# Altium PCB CENTRIFUSION - FABRICATION.PcbDoc
Units mm, origin at the board's own origin, x right, y up, seen from the top; angles counter-clockwise.
Board outline 128.91 x 72.01 mm, 2 copper layers (Top Layer, Bottom Layer); 86 components, 51 nets, 264 pads, 194 vias.
Unrouted connection lines stored in the file: 10.
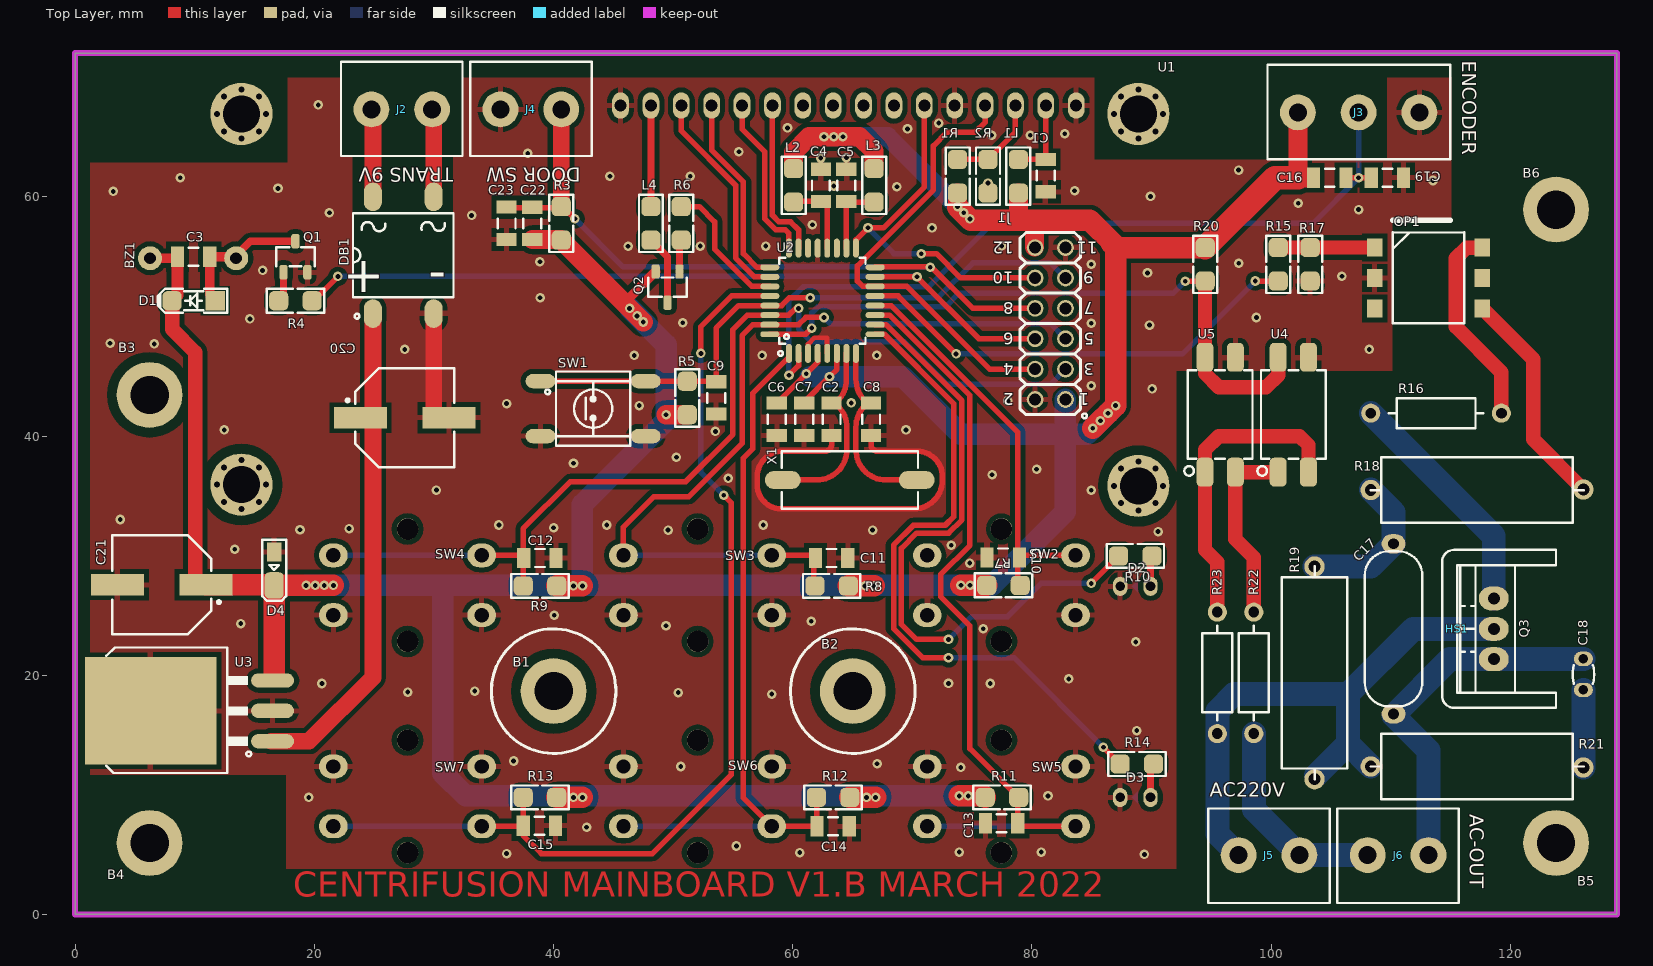
[diagram p0: Top Layer view]
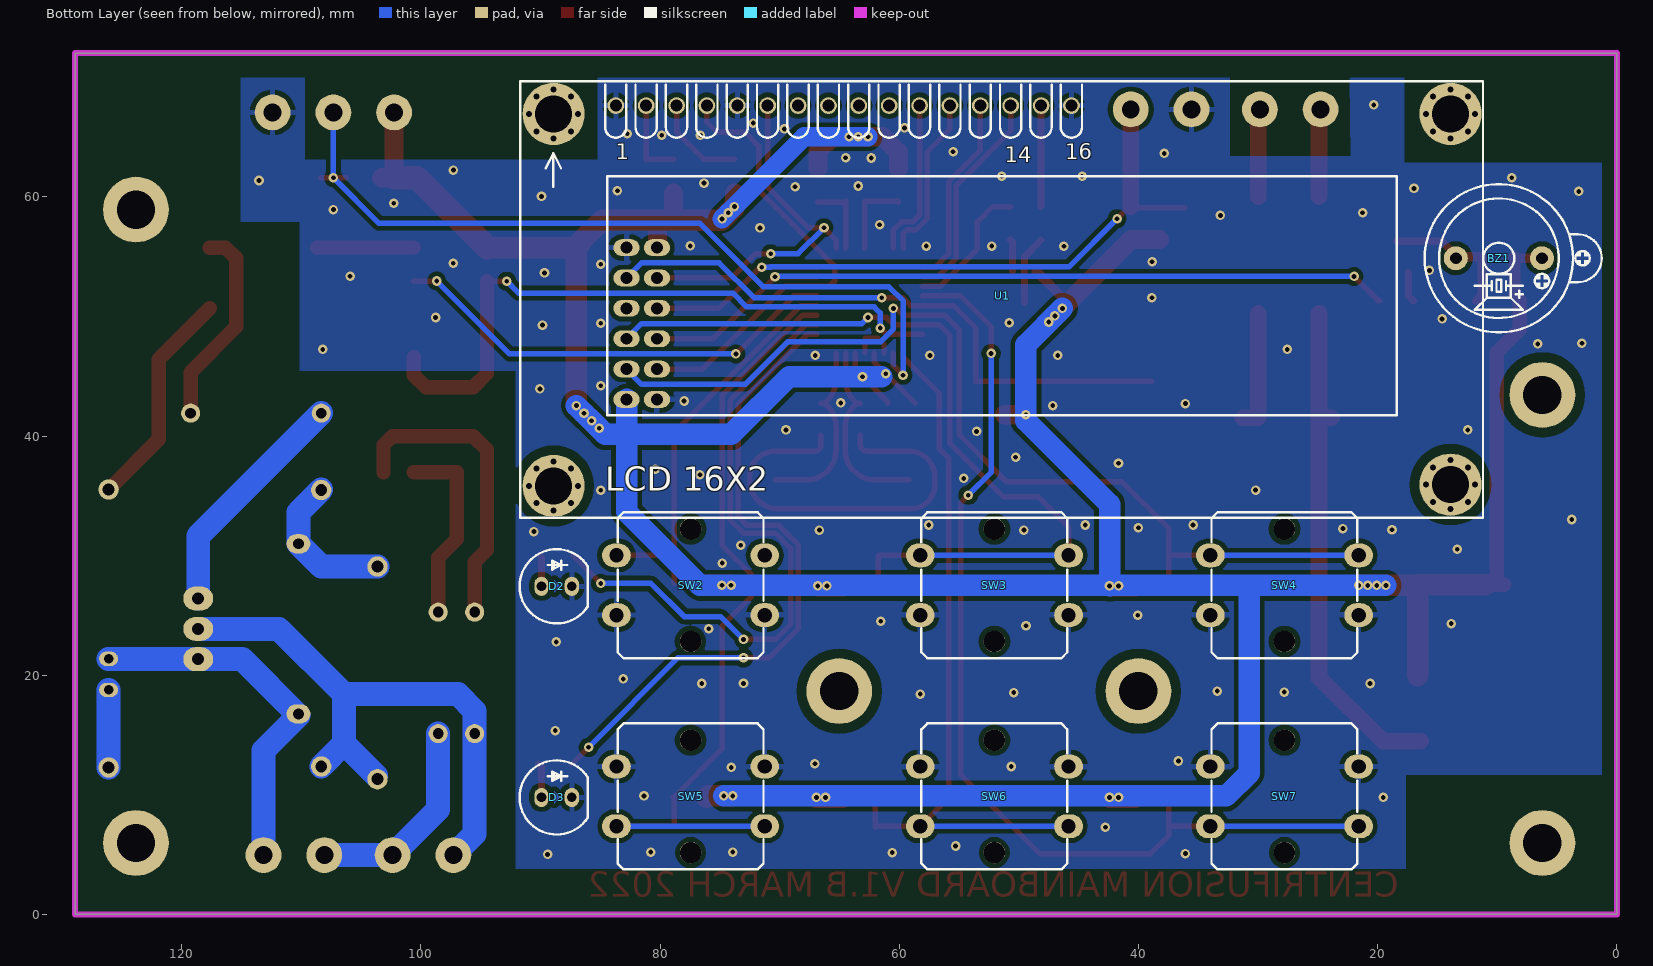
[diagram p1: Bottom Layer view, seen from below]

## Layer stack, top to bottom
Top Solder: solder mask 0.0102, Solder Resist, Dk 3.5
Top Layer: signal copper 0.0356
Dielectric 1: dielectric 0.32, FR-4, Dk 4.8
Bottom Layer: signal copper 0.0356
Bottom Solder: solder mask 0.0102, Solder Resist, Dk 3.5

## Board outline
0,0 0,72.009 128.905,72.009 128.905,0

## Design rules (kind name [scope] priority, off if disabled: settings)
Clearance earth [All vs InNet('EARTH')] p1: gap=0.8
Clearance inpoly [All vs InPoly] p2: gap=0.4
Clearance [All] p3: gap=0.4
PolygonConnect VIA [All vs IsVia] p1: connectstyle=Direct reliefconductorwidth=0.254 reliefentries=4 polygonreliefangle="90 Angle" airgapwidth=0.254
PolygonConnect [All] p2: connectstyle=Relief reliefconductorwidth=0.46 reliefentries=4 polygonreliefangle="90 Angle" airgapwidth=0.4
RoomDefinition Sheet1 [InComponentClass('Sheet1')] p1: confinementstyle=ConfineOut formatcopy=TRUE lockcomponents=FALSE outline 130.81,63.119 144.526,63.119 144.526,71.755 130.81,71.755
RoutingVias [All] p1: holewidth=0.4 width=1.2 viastyle="Through Hole" minholewidth=0.4 minwidth=1.2 maxholewidth=4 maxwidth=1.8
SolderMaskExpansion [All] p1: expansion=0.102
Width [All] p1: maxlimit=2 minlimit=0.2 preferedwidth=0.3
30 further rules are at their usual default settings.

## Components (designator, comment, footprint, x,y, rotation, side; value= is the part's Value field where it differs from the comment)
B1 "Plated Hole" MTG320_550 40.005,18.669 r0 top
B2 "Plated Hole" MTG320_550 65.024,18.669 r0 top
B3 "Plated Hole" MTG320_550 6.223,43.434 r0 top
B4 "Plated Hole" MTG320_550 6.223,5.969 r0 top
B5 "Plated Hole" MTG320_550 123.825,5.969 r0 top
B6 "Plated Hole" MTG320_550 123.825,58.928 r0 top
BZ1 "BUZZER" BZ_C12 9.862,54.864 r0 bottom
C1 "100nF" C1206 81.153,61.769 r90 top
C2 "33pF" C1206 63.246,41.402 r90 top
C3 "100nF" C1206 9.906,54.991 r180 top
C4 "100nF" C1206 62.357,60.96 r270 top
C5 "100nF" C1206 64.484,60.96 r270 top
C6 "100nF" C1206 58.674,41.402 r90 top
C7 "100nF" C1206 60.96,41.402 r90 top
C8 "33pF" C1206 66.548,41.402 r90 top
C9 "100nF" C1206 53.594,43.18 r270 top
C10 "100nF" C1206 77.597,29.845 r0 top
C11 "100nF" C1206 63.253,29.798 r180 top
C12 "100nF" C1206 38.862,29.798 r180 top
C13 "100nF" C1206 77.47,7.62 r0 top
C14 "100nF" C1206 63.38,7.366 r180 top
C15 "100nF" C1206 38.817,7.412 r180 top
C16 "100nF" C1206 104.902,61.595 r0 top
C17 "10nF" C_PLY_13X5 110.236,23.876 r90 top
C18 "330nF" C_CER_D3 126.111,20.066 r90 top
C19 "100nF" C1206 109.728,61.595 r0 top
C20 "1000uF" CAPAE830X1020N 27.559,41.529 r0 top
C21 "1000uF" CAPAE830X1020N 7.239,27.559 r180 top
C22 "100nF" C1206 38.227,57.777 r90 top
C23 "100nF" C1206 36.068,57.785 r270 top
D1 "1N4148" D_SOD80 9.906,51.308 r180 top
D2 "LED5MM_RED" LED5MM_RED 88.646,27.432 r180 bottom
D3 "LED5MM_GRN" LED5MM_GRN 88.646,9.779 r180 bottom
D4 "ZENER5V1" D_SOD123W 16.637,28.709 r270 top
DB1 "DB107S" DBRG_DIPSMD 27.432,55.118 r90 top
HS1 "Heat Sink No Pad" HSINK_AAVID-THERMALLOY_577102B00000G_v 115.57,23.876 r90 top
J1 "HDRM_2X6" HDR_M_2X6 81.534,49.403 r90 top
J2 "TRANS 9V" MSTBV_2 27.305,67.31 r0 top
J3 "ENCODER" MSTBV_3 104.775,67.056 r0 top
J4 "DOOR SW" MSTBV_2 38.1,67.31 r0 top
J5 "AC220V" MSTBV_2 99.822,4.953 r180 top
J6 "AC-OUT" MSTBV_2 110.617,4.953 r180 top
L1 "100uH" L1206 78.867,61.722 r270 top
L2 "100uH" L1206 60.071,60.96 r90 top
L3 "100uH" L1206 66.802,60.96 r90 top
L4 "100uH" L1206 48.14,57.785 r270 top
OP1 "MOC3021SM" DIP6_SMD 113.157,53.213 r0 top
Q1 "MMBT3904" SOT23_3 18.415,54.991 r90 top
Q2 "MMBT3906" SOT23_3 49.53,52.451 r270 top
Q3 "BT139" TO220_3 118.618,23.876 r90 top
R1 "10K" R1206 73.787,61.722 r90 top
R2 "10K" R1206 76.327,61.722 r90 top
R3 "10K" R1206 40.64,57.785 r270 top
R4 "1K" R1206 18.415,51.308 r180 top
R5 "10K" R1206 51.181,43.18 r270 top
R6 "4K7" R1206 50.673,57.785 r270 top
R7 "10K" R1206 77.62,27.512 r180 top
R8 "10K" R1206 63.253,27.465 r0 top
R9 "10K" R1206 38.862,27.465 r0 top
R10 "1K" R1206 88.646,29.969 r0 top
R11 "10K" R1206 77.493,9.779 r180 top
R12 "10K" R1206 63.373,9.779 r0 top
R13 "10K" R1206 38.862,9.779 r0 top
R14 "1K" R1206 88.773,12.573 r0 top
R15 "1K" R1206 100.6,54.359 r90 top
R16 "825k" RES1016-660X250#1 113.792,41.91 r180 top
R17 "1K5" R1206 103.267,54.359 r90 top
R18 "47k" RES_TYCO_CFR200#1 117.221,35.48 r180 top
R19 "47k" RES_TYCO_CFR200#2 103.632,20.193 r90 top
R20 "10K" R1206 94.488,54.356 r90 top
R21 "47k" RES_TYCO_CFR200#3 117.221,12.366 r0 top
R22 "825k" RES1016-660X250#2 98.552,20.193 r90 top
R23 "825k" RES1016-660X250#2 95.504,20.193 r90 top
SW1 "PUSHBUTTON" SWPBS_SPDT_6X6X5 43.307,42.291 r0 top
SW2 "PUSHBUTTON" SWPBT_SPDT_10X10X7 77.447,27.519 r180 bottom
SW3 "PUSHBUTTON" SWPBT_SPDT_10X10X7 52.047,27.519 r180 bottom
SW4 "PUSHBUTTON" SWPBT_SPDT_10X10X7 27.79,27.519 r180 bottom
SW5 "PUSHBUTTON" SWPBT_SPDT_10X10X7 77.447,9.866 r0 bottom
SW6 "PUSHBUTTON" SWPBT_SPDT_10X10X7 52.047,9.866 r0 bottom
SW7 "PUSHBUTTON" SWPBT_SPDT_10X10X7 27.79,9.866 r0 bottom
U1 "LCD_16X2" LCDCHAR_16X2_BLU 51.4,51.379 r180 bottom locked
U2 "ATMEGA8" QFG80_32 62.484,51.308 r90 top
U3 "UA7805CKTTR" D2PAK_3 16.51,17.018 r90 top
U4 "EL817" DIP_4SMD 101.854,41.783 r90 top
U5 "EL817" DIP_4SMD 95.742,41.783 r90 top
X1 "XTL_8MHz" XTL_2_11X5 64.77,36.322 r180 top

## Footprints (in the part's own frame and the unit in brackets; to place one, negate y for a bottom-side part, rotate by r counter-clockwise, add the part's x,y. Pads: shape width x height; smd on the part's side, far side on the other; paste and mask are expansions set on the pad)
BZ_C12 [mm] "BUZZER 12mm DIA, 8.5mm Height , 7.62mm pitch"
  round 2 hole 1: 1(-3.6,0) 2(3.6,0)
  silkscreen extent -8.6,-6.2 6.2,6.2, body extent -6,-6 6,6, height 9.5
C1206 [mm] "Chip Capacitor, Body 3.2x1.6mm, IPC High Density"
  rect 1.1x1.7 smd: 1(-1.35,0) 2(1.35,0)
  silkscreen extent -0.4,-0.75 0.4,0.75, body extent -1.7,-0.9 1.7,0.9, height 1.3
C_CER_D3 [mm] "CAP, CER MULTILAYER, D:3.5mm, pitch: 2.54mm"
  oval 1.2x1.6 hole 0.8: 1(-1.3,0) 2(1.3,0)
  silkscreen extent -0.78,-0.9 0.78,0.9, body extent -1.75,-0.75 1.75,0.75, height 4
C_PLY_13X5 [mm] "CAP, POLYESTER, 12.8X4.8 pitch: 10mm"
  oval 1.6x2 hole 0.9: 1(-7.112,0) 2(7.112,0)
  silkscreen extent -6.48,-2.4 6.48,2.4, body extent -6.37,-2.4 6.38,2.35, height 12.19
CAPAE830X1020N [mm] "Capacitor, Aluminium Electrolytric, 8.3mm L X 8.3mm W X 10.2mm H, IPC Medium Density"
  rect 4.4x1.8 smd: 1(-3.7,0) 2(3.7,0)
  silkscreen extent -4.9,-4.15 4.15,4.15, body extent -4.75,-4.25 5.25,4.25, height 10.2
D2PAK_3 [mm] "D2-PAK, 4-Pads, Body 7.6x8.6mm"
  oval 1.2x3.6 smd: 1(-2.54,0) 2(0,0) 3(2.54,0)
  rect 9x11 smd: 4(0,10.2)
  silkscreen extent -5.2,1.8 5.3,13.9, body extent -5.17,-1.25 5.23,14.6, height 4.6
D_SOD80 [mm] "SOD-80 MINI-MELF 3.6X1.6mm, LL-34, LL4148"
  rect 1.6x1.6 smd: 1(-1.8,0)
  rrect50% 1.6x1.6 smd: 2(1.8,0)
  Top Layer pour cut-out: -1.016,1.016 1.016,1.016 1.016,-1.016 -1.016,-1.016
  silkscreen extent -2.8,-1 3,1, body extent -1.85,-0.8 1.85,0.8, height 2
D_SOD123W [mm] "PowerDI-123, SOD123, DO-213AA, 1206D"
  rect 1.6x1.2 smd mask+0.1: 1(-1.6,0)
  rrect50% 2.2x1.6 smd mask+0.1: 2(1.2,0)
  Top Layer pour cut-out: -1.016,1.1 -1.016,-1.1 1.016,-1.1 1.016,1.1
  silkscreen extent -2.6,-1 2.5,1, body extent -1.95,-0.97 1.95,0.96, height 1
DBRG_DIPSMD [mm] "BRIDGE RECTIFIER, pitch: 5.08mm, 8X6mm, DB-S, DF005S"
  oval 2.4x1.5 smd: 1(-4.88,2.54) 2(-4.88,-2.54) 3(4.88,-2.54) 4(4.88,2.54)
  silkscreen extent -5.3,-4.2 3.5,4.2, body extent -5.08,-4.05 5.07,4.05, height 2.7
DIP6_SMD [mm]
  rect 1.3x1.5 smd: 1(-4.5,2.54) 2(-4.5,0) 3(-4.5,-2.54) 4(4.5,-2.54) 5(4.5,0) 6(4.5,2.54)
  silkscreen extent -3,-3.81 3,3.81, body extent -4.25,-4.58 4.26,4.58, height 1.89
DIP_4SMD [mm] "DIP4, pitch 2.54mm, 300mil Width SMD"
  rrect50% 2.4x1.4 smd: 1(-4.8,1.27) 2(-4.8,-1.27) 3(4.8,-1.27) 4(4.8,1.27)
  silkscreen extent -5.1,-2.7 3.7,3, body extent -5.23,-2.55 5.23,2.55, height 4.6
HDR_M_2X6 [mm] "Male Header 2X06 with 2.54 mm Pitch"
  round 1.4 / inner round 1.4 / far side oval 1.4x2.2 hole 1: 1(-6.35,-1.27) 2(-6.35,1.27) 3(-3.81,-1.27) 4(-3.81,1.27) 5(-1.27,-1.27) 6(-1.27,1.27) 7(1.27,-1.27) 8(1.27,1.27) 9(3.81,-1.27) 10(3.81,1.27) 11(6.35,-1.27) 12(6.35,1.27)
  silkscreen extent -7.92,-3.07 7.62,2.54, body extent -7.62,-2.54 7.62,2.54, height 8.43
HSINK_AAVID-THERMALLOY_577102B00000G_v [mm] "Black Anodized Alumium Heat Sink, for TO-220 Device, Rth: 25.9°C/W, Vertical Mount"
  silkscreen extent -6.6,-8.25 6.61,1.27, body extent -6.6,-8.25 6.61,1.27, height 19.05
L1206 [mm] "INDUCTOR, FERRITE BEAD, 1206, 3.2X1.6mm"
  rrect50% 1.6x1.6 smd mask+0.075: 1(-1.4,0) 2(1.4,0)
  Top Layer pour cut-out: -0.8,1 -0.8,-1 0.8,-1 0.8,1
  silkscreen extent -2.4,-1 2.4,1, body extent -1.6,-0.8 1.6,0.8, height 1.1
LCDCHAR_16X2_BLU [mm] "LCD Characters Display, 2linesX16char, Blue, header1x16"
  round 1.4 / inner round 1.4 / far side oval 1.4x2.2 hole 1: 1(-32.3,16.25) 2(-29.76,16.25) 3(-27.22,16.25) 4(-24.68,16.25) 5(-22.14,16.25) 6(-19.6,16.25) 7(-17.06,16.25) 8(-14.52,16.25) 9(-11.98,16.25) 10(-9.44,16.25) 11(-6.9,16.25) 12(-4.36,16.25) 13(-1.82,16.25) 14(0.72,16.25) 15(3.26,16.25) 16(5.8,16.25)
  round 5.2 hole 3.1: MH1(-37.5,15.55) MH2(-37.5,-15.55) MH3(37.5,-15.45) MH4(37.5,15.55)
  silkscreen extent -40.29,-18.22 40.21,18.28, body extent -40,-18 40,18, height 24.8
LED5MM_GRN [mm] "LED THD 5MM GREEN"
  oval 1.2x1.6 hole 0.8: 1(-1.27,0) 2(1.27,0)
  Top Layer region: -0.2,0.5 -0.2,-0.5 0.3,0
  silkscreen extent -3.1,-3.1 2.6,3.1, body extent -3,-3 2.5,3, height 9.14
LED5MM_RED [mm] "LED THD 5MM RED"
  oval 1.2x1.6 hole 0.8: 1(-1.27,0) 2(1.27,0)
  Top Layer region: -0.2,0.5 -0.2,-0.5 0.3,0
  silkscreen extent -3.1,-3.1 2.6,3.1, body extent -3,-3 2.5,3, height 9.14
MSTBV_2 [mm] "PHOENIX MSTBV 2.5/2-GF-5.08"
  round 3 hole 1.5: 1(-2.54,0) 2(2.54,0)
  silkscreen extent -5.08,-3.9 5.08,4, body extent -5,-3.8 5,4.8, height 12.1
MSTBV_3 [mm] "PHOENIX MSTBV 2.5/3-GF-5.08"
  round 3 hole 1.5: 1(-2.54,0) 2(2.54,0) 3(7.62,0)
  silkscreen extent -5.08,-3.9 10.2,4, body extent -5,-3.8 10.08,4.8, height 12.1
MTG320_550 [mm] "Plated Through Hole: Hole Dia.=3.2mm Pad Dia.=5.5mm"
  round 5.5 hole 3.2: 1(0,0)
QFG80_32 [mm] "TQFP32, A32 (Cypress), GP32 (Zarlink), MS-026ABA(JEDEC), 7X7mm, 0.8mm"
  oval 1.6x0.5 smd: 1(-4.4,2.8) 2(-4.4,2) 3(-4.4,1.2) 4(-4.4,0.4) 5(-4.4,-0.4) 6(-4.4,-1.2) 7(-4.4,-2) 8(-4.4,-2.8) 17(4.4,-2.8) 18(4.4,-2) 19(4.4,-1.2) 20(4.4,-0.4) 21(4.4,0.4) 22(4.4,1.2) 23(4.4,2) 24(4.4,2.8)
  oval 0.5x1.6 smd: 9(-2.8,-4.4) 10(-2,-4.4) 11(-1.2,-4.4) 12(-0.4,-4.4) 13(0.4,-4.4) 14(1.2,-4.4) 15(2,-4.4) 16(2.8,-4.4) 25(2.8,4.4) 26(2,4.4) 27(1.2,4.4) 28(0.4,4.4) 29(-0.4,4.4) 30(-1.2,4.4) 31(-2,4.4) 32(-2.8,4.4)
  silkscreen extent -4.6,-3.6 3.6,3.7, body extent -4.5,-4.5 4.5,4.5, height 1.6
R1206 [mm]
  rrect50% 1.6x1.6 smd mask+0.075: 1(-1.4,0) 2(1.4,0)
  Top Layer pour cut-out: -0.8,1 -0.8,-1 0.8,-1 0.8,1
  silkscreen extent -2.4,-1 2.4,1, body extent -1.67,-0.86 1.68,0.87, height 0.85
RES1016-660X250#1 [mm] "Resistor, Axial, Pad spacing 10.16 mm - Body Lengh 6.6mm X Body Diameter 2.5mm"
  round 1.6 hole 0.9: 1(-5.461,0) 2(5.461,0)
  silkscreen extent -3.95,-1.25 3.95,1.25, body extent -5.38,-1.25 5.38,1.25, height 2.5
RES1016-660X250#2 [mm] "Resistor, Axial, Pad spacing 10.16 mm - Body Lengh 6.6mm X Body Diameter 2.5mm"
  round 1.6 hole 0.9: 1(-5.08,0) 2(5.08,0)
  silkscreen extent -3.95,-1.25 3.95,1.25, body extent -5.38,-1.25 5.38,1.25, height 2.5
RES_TYCO_CFR200#1 [mm] "Resistor, Axial, Pad spacing 20.32mm - Body Lengh 16mm X Body Diameter 5.5mm"
  round 1.7 hole 1: 1(-8.89,-0.047) 2(8.89,0)
  silkscreen extent -8.91,-2.75 8.91,2.75, body extent -10.53,-2.75 10.54,2.75, height 5.5
RES_TYCO_CFR200#2 [mm] "Resistor, Axial, Pad spacing 20.32mm - Body Lengh 16mm X Body Diameter 5.5mm"
  round 1.7 hole 1: 1(-8.89,0) 2(8.89,0)
  silkscreen extent -8.91,-2.75 8.91,2.75, body extent -10.53,-2.75 10.54,2.75, height 5.5
RES_TYCO_CFR200#3 [mm] "Resistor, Axial, Pad spacing 20.32mm - Body Lengh 16mm X Body Diameter 5.5mm"
  round 1.7 hole 1: 1(-8.89,0) 2(8.89,-0.08)
  silkscreen extent -8.91,-2.75 8.91,2.75, body extent -10.53,-2.75 10.54,2.75, height 5.5
SOT23_3 [mm]
  rrect50% 1.2x0.7 smd mask+0.1: 1(-1.3,1) 2(-1.3,-1) 3(1.3,0)
  silkscreen extent -0.8,-1.6 0.8,1.6, body extent -1.32,-1.5 1.32,1.5, height 1.08
SWPBS_SPDT_6X6X5 [mm]
  oval 2.5x1.2 smd mask+0.1: 1(-4.4,2.3) 2(-4.4,-2.3) 3(4.4,-2.3) 4(4.4,2.3)
  silkscreen extent -4,-3.1 3.1,3.1, body extent -5,-3 5,3, height 5.07
SWPBT_SPDT_10X10X7 [mm] "SWITCH, PUSHBUTTON, THD, SPDT,"
  oval 2.4x2 hole 1.2 mask+0.1: 1(-6.2,2.5) 2(-6.2,-2.5) 3(6.2,-2.5) 4(6.2,2.5)
  round 1.8 hole 1.8 unplated: ""(0,-4.7) ""(0,4.7)
  silkscreen extent -6.1,-6.1 6.1,6.1, body extent -6.5,-6 6.5,6, height 7.3
TO220_3 [mm]
  oval 2x2.5 hole 1: 1(-2.54,0) 2(0,0) 3(2.54,0)
  silkscreen extent -5.33,-1.78 5.33,2.79, body extent -5.2,-1.85 5.2,2.65, height 19
XTL_2_11X5 [mm]
  oval 3x1.5 smd: 1(-5.6,0) 2(5.6,0)
  silkscreen extent -5.7,-2.4 5.7,2.4, body extent -6.4,-2.41 6.4,2.42, height 4.3

## Part data
B1 B2 B3 B4 B5 B6: library part PLATED_HOLE3.2_PAD5.5, "Single Terminal Socket"
BZ1: library part BUZZER_C12, "Buzzer, 12X8.5mm, Magnetic Transducer"
C1 C3 C4 C5 C6 C7 C9 C10 C11 C12 C13 C14 C15 C16 C19 C22 C23: library part CAP_SMD_MLCC, "CAP, SMD, MLCC"
C2 C8: library part CAP_SMD_MLCC, "CAP, MLCC, 1nF, 50V, C0G, 10%, 0402"
C17: library part CAP_THD_FILMPLY_10N630V, "CAP, FILM, 10nF, 630V"
C18: library part CAP_THD_CERML, "CAP, THD, CER MULTI LAYER,"
C20 C21: library part CAE830-1020_100UF_35V_20%, "Polarised capacitor"
D1: library part DIODE_SMD_1N4148, "DIODE, FAST SWTICHING, 0.3A, 0.5W"
D2: library part LED_THD_5MM_RED, "LED, THD, 5MM, RED"
D3: library part LED_THD_5MM_GRN, "LED, THD, 5MM, GREEN"
D4: library part DIODE_SMD_ZENER_BZT52HC5V1, "DIODE, ZENER, 1W, 5.1V"
DB1: library part DIODE_SMD_BRIDGE_DIP, "DIODE, BRIDGE,"
HS1: library part HSINK_AAVID-THERMALLOY_577102B00000G_v, "Heat Sink Without Pad"
J1: library part HDR_M_2X6, "CONN, HEADER, Male, pitch: 2.54mm, 12POS"
J2 J4 J5 J6: library part CONN_MSTBV_2, "CONN, PHOENIX MSTBV 2.5/2-GF-5.08"
J3: library part CONN_MSTBV_3, "CONN, PHOENIX MSTBV 2.5/3-GF-5.08"
L1 L2 L3 L4: library part IND_SMD, "IND, SMD"
OP1: "Optoisolator Triac Output 4170Vrms 1 Channel 6-SMD"
Q1: library part NPN_MMBT3904_SOT23, "BJT, NPN, 40v, 0.2A, SMD, SOT23"
Q2: library part PNP_MMBT3906_SOT23, "BJT, PNP, 40v, 0.2A, SMD, SOT23"
Q3: library part BT139-600_TO220, "Triac, 600V, 16A, TO-220"
R1 R2 R3 R4 R5 R6 R7 R8 R9 R10 R11 R12 R13 R14 R15 R17 R20: library part RES_SMD, "RES, SMD"
R16 R22 R23: library part RMF_825K_0.1%_0.25W_15PPM_TYCO_YR1, "Resistor - 0.1%"
R18 R19 R21: library part RCF_47K_5%_2W_0-450PPM_TYCO_CFR200, "Resistor - 5%"
SW1: library part SWPBS_SPDT_6X6X5_TL3301, "SWITCH, PUSH BUTTON, TACTILE, SMD, SPDT, 6X6X5mm"
SW2 SW3 SW4 SW5 SW6 SW7: library part SWPBT_SPDT_10X10X7, "SWITCH, PUSH BUTTON, TACTILE, THD, SPDT, 10X10X7mm"
U1: library part LCDCHAR_16X2_BLU, "LCD Character Disp, 16X2"
U2: library part ATMEGA8A_QFP32, "MCU, AVR, 8-Bit, 8KB, 1KB RAM, 16MHz"
U3: library part VREG_78M05_TO263, "REG, Linear, Fixed, 5v, 1A, TO-263"
U4 U5: library part OPTC_TR4P_EL817_SMD, "OPTOCOUPLER, TRANSISTOR, 4PIN"
X1: library part XTL_2_HC49_8MHz_SMD, "Crystal MOST POPULAR ABL HC49 PACKAGE"

## Via types
v1: diameter 0.8, hole 0.4, Top Layer to Bottom Layer, tented both sides, 162 vias
v2: diameter 1, hole 0.5, Top Layer to Bottom Layer, tented both sides, 32 vias

## Nets (pads, with @x,y where several pads share a name; then routed paths per layer and width w, separated by ;. In a path a pad name is that pad's centre, name@x,y a point inside that pad or via, vN(x,y) a via of type N, cw(c..) or ccw(c..) an arc to the next point about the centre after c; other vN are vias at no path point)
EARTH: B1.1 B2.1 B3.1 B4.1 B5.1 B6.1 U1.MH1 U1.MH2 U1.MH3 U1.MH4
  other v2: 88.9,33.779 13.9,33.879 87.451,34.379 90.35,34.379 12.451,34.479 15.35,34.479 86.85,35.829 90.95,35.829 11.85,35.929 15.95,35.929 87.451,37.278 90.35,37.278 12.451,37.378 15.35,37.378 88.9,37.879 13.9,37.979 13.9,64.879 88.9,64.879 12.451,65.479 15.35,65.479 87.451,65.479 90.35,65.479 11.85,66.929 15.95,66.929 86.85,66.929 90.95,66.929 12.451,68.378 15.35,68.378 87.451,68.378 90.35,68.378 13.9,68.979 88.9,68.979
GND: C1.1 C2.1 C4.1 C5.1 C6.1 C7.1 C8.1 C9.2 C10.1 C11.1 C12.1 C13.1 C14.1 C15.1 C19.2 C20.2 C21.2 C23.2 D2.2 D3.2 D4.1 DB1.2 J1.2 J1.11 J3.3 J4.1 OP1.2 Q1.2 R2.1 R17.1 SW1.2 SW1.3 SW2.2 SW2.3 SW3.2 SW3.3 SW4.2 SW4.3 SW5.2 SW5.3 SW6.2 SW6.3 SW7.2 SW7.3 U1.1 U1.5 U1.16 U2.3 U2.5 U2.21 U3.2 U3.4 U4.3 U5.3 | length 49.7
  Top Layer w0.4: U2.3 61.284,47.69 61.816,48.222 62.869,48.222 62.869,46.923 U2.5
  Top Layer w0.46: C2.1 63.246,39.243 cw(c62.738,39.243) 62.738,38.735 59.182,38.735 ccw(c59.182,36.576) 57.023,36.576 57.023,35.941 ccw(c59.055,35.941) 59.055,33.909 70.104,33.909 ccw(c70.104,36.322) 72.517,36.322 72.517,36.588 ccw(c70.37,36.588) 70.37,38.735 67.056,38.735 cw(c67.056,39.243) 66.548,39.243 C8.1
  Top Layer w1.4: DB1.2 29.972,41.529 C20.2
  other v1: 89.408,5.016 36.068,5.08 60.579,5.166 73.919,5.207 80.772,5.207 55.287,5.715 42.757,7.285 19.52,9.779 81.345,9.906 74.041,12.286 50.636,12.366 67.056,12.597 36.659,12.827 88.773,15.367 58.247,18.415 50.419,18.542 27.813,18.584 33.401,18.669 20.626,19.304 73.025,19.313 76.507,19.304 83.082,19.685 88.678,22.778 75.935,23.876 49.403,24.13 13.843,24.313 61.538,24.511 40.061,25.019 74.803,29.377 13.335,30.539 73.257,30.861 90.551,32.004 49.574,32.131 66.675,32.131 18.796,32.155 22.901,32.258 40.005,32.328 35.433,32.558 44.45,32.558 57.531,32.558 3.769,33.02 84.963,35.455 30.202,35.48 54.61,36.455 76.672,36.759 80.391,37.211 41.666,37.719 50.273,38.227 53.53,40.386 12.464,40.513 69.469,40.513 47.156,42.545 36.068,42.712 64.897,42.766 77.994,42.926 90.043,43.942 84.963,44.196 46.753,46.736 57.433,46.736 67.029,46.736 27.559,47.244 108.204,47.244 6.604,47.703 2.921,47.752 89.83,49.276 84.963,49.437 50.8,49.461 14.605,49.788 98.768,49.911 38.876,51.562 105.918,53.362 89.662,53.639 15.669,53.848 84.963,54.356 97.291,54.445 38.862,54.572 46.228,55.866 52.259,55.88 57.745,55.88 77.47,55.892 71.642,57.404 61.645,57.658 33.147,58.444 21.259,58.674 107.315,58.928 102.267,59.469 89.916,60.038 3.175,60.452 83.566,60.501 16.957,60.706 68.707,60.833 63.436,60.905 76.327,61.151 113.538,61.365 8.779,61.595 44.712,61.722 51.435,61.722 97.282,62.237 62.344,63.246 64.484,63.26 37.846,63.627 55.499,63.772 76.625,65.151 79.856,65.151 82.739,65.278 69.596,65.681 59.563,65.763 72.209,66.167 20.32,67.682
LCDD4: U1.11 U2.23 | length 13.4
  Top Layer w0.46: U1.11 58.3,58.458 58.846,57.912 59.817,57.912 60.484,57.245 U2.23
LCDD5: U1.12 U2.24 | length 14
  Top Layer w0.46: U1.12 55.76,65.652 57.64,63.772 57.64,58.185 58.573,57.252 59.369,57.252 59.684,56.937 U2.24
LCDD6: U1.13 U2.25 | length 16.2
  Top Layer w0.46: U1.13 53.22,63.9 55.88,61.24 55.88,55.245 57.017,54.108 U2.25
LCDD7: U1.14 U2.26 | length 18.1
  Top Layer w0.46: U1.14 50.68,65.507 55.22,60.967 55.22,54.889 56.801,53.308 U2.26
MISO: C22.2 C23.1 J1.8 J4.2 R3.1 U2.16 | length 60.5
  Top Layer w0.46: C23.1@36.068,59.097 40.552,59.097 R3.1 40.764,59.185 v1(41.783,58.166) ; U2.16 66.914,54.138 71.465,54.138 v1(71.501,54.102) 71.616,54.102 71.622,54.108 75.057,50.673 J1.8
  Top Layer w1.4: R3.1 J4.2
  Bottom Layer w0.46: v1(41.783,58.166) 45.811,54.138 70.734,54.138 70.77,54.102 v1(71.501,54.102)
MOSI: J1.6 R4.1 U2.15 | length 67
  Top Layer w0.46: R4.1 19.939,51.308 v1(21.971,53.34) ; U2.15 v1(70.39,53.308) 75.565,48.133 J1.6
  Bottom Layer w0.46: v1(21.971,53.34) 70.358,53.34 v1(70.39,53.308)
NetBZ1_2: BZ1.2 C3.1 D1.1 Q1.3 | length 11.6
  Top Layer w0.6: BZ1.2@13.335,54.991 14.635,56.291 Q1.3
  Top Layer w0.8: D1.1 11.256,51.758 C3.1 BZ1.2@13.335,54.991
NetC1_2: C1.2 L1.1 U1.2 | length 6.8
  Top Layer w0.46: L1.1 81.15,63.122 C1.2 81.153,67.622 U1.2
NetC2_2: C2.2 U2.7 X1.2 | length 16
  Top Layer w0.46: X1.2 61.986,36.322 ccw(c61.986,38.862) 64.526,38.862 64.526,40.721 ccw(c61.986,40.721) 63.782,42.517 C2.2@63.76,42.539 ; C2.2@63.76,42.539 ccw(c63.246,42.025) C2.2 63.58,42.752 63.74,42.912 ccw(c61.944,44.708) 64.484,44.708 U2.7
NetC4_2: C4.2 L2.1 U2.20 | length 6.8
  Top Layer w0.46: L2.1 60.071,59.61 C4.2 62.884,59.61 U2.20
NetC5_2: C5.2 L3.1 U2.18 | length 6.2
  Top Layer w0.46: U2.18 C5.2@64.484,59.56 ; C5.2 C5.2@64.484,59.56 ; L3.1 C5.2@64.484,59.56
NetC8_2: C8.2 U2.8 X1.1 | length 15.8
  Top Layer w0.46: U2.8 65.284,44.74 ccw(c67.824,44.74) 66.028,42.944 66.22,42.752 C8.2 ccw(c66.548,42.025) 66.034,42.539 66.022,42.527 ccw(c67.818,40.731) 65.278,40.731 65.278,38.862 ccw(c67.818,38.862) 67.818,36.322 X1.1
NetC17_1: C17.1 C18.2 J6.1 Q3.1 | length 30.7
  Bottom Layer w2: J6.1 113.157,13.716 110.236,16.637 114.935,21.336 Q3.1 126.081,21.336 C18.2
NetC17_2: C17.2 R18.2 R19.2 | length 12.7
  Bottom Layer w2: R19.2 108.331,29.083 C17.2 110.236,33.622 R18.2@108.331,35.527
NetC18_1: C18.1 R21.2 | length 6.5
  Bottom Layer w2: R21.2 C18.1
NetC20_1: C20.1 DB1.1 U3.1 | length 42.2
  Top Layer w1.4: U3.1@16.383,14.478 U3.1 19.558,14.478 24.892,19.812 C20.1@24.892,41.529 ; C20.1 C20.1@24.892,41.529 ; DB1.1 C20.1@24.892,41.529
NetD2_1: D2.1 R10.2 | length 2.6
  Top Layer w0.6: D2.1 89.916,29.839 R10.2
NetD3_1: D3.1 R14.2 | length 2.9
  Top Layer w0.6: D3.1 89.916,12.316 R14.2
NetDB1_3: DB1.3 J2.2 | length 7.4
  Top Layer w1.4: J2.2 29.972,67.183 DB1.3
NetDB1_4: DB1.4 J2.1 | length 7.4
  Top Layer w1.4: J2.1 24.892,67.183 DB1.4
NetJ5_1: J5.1 J6.2 R22.1 | length 17.5
  Bottom Layer w2: R22.1 98.552,8.763 J5.1 J6.2
NetJ5_2: J5.2 Q3.2 R19.1 R21.1 R23.1 | length 49.4
  Bottom Layer w2: J5.2 95.504,6.731 R23.1 95.504,17.018 96.901,18.415 106.426,18.415 ; R19.1@103.759,11.604 106.426,14.271 ; R21.1 106.426,14.271 ; Q3.2 111.887,23.876 106.426,18.415 ; 106.426,14.271 106.426,18.415
NetL4_1: L4.1 U1.15 | length 8.4
  Top Layer w0.6: L4.1 U1.15
NetL4_2: L4.2 Q2.3 | length 5.8
  Top Layer w0.6: L4.2 49.53,54.995 Q2.3
NetOP1_1: OP1.1 R15.2 R17.2 | length 8.1
  Top Layer w1.2: R15.2 R17.2 108.651,55.759 OP1.1
NetOP1_4: OP1.4 R18.1 | length 18.6
  Top Layer w1.2: OP1.4 121.92,46.41 121.92,39.718 R18.1
NetOP1_6: OP1.6 R16.1 | length 17.1
  Top Layer w1.2: OP1.6 116.332,55.753 115.443,54.864 115.443,49.149 119.253,45.339 R16.1
NetQ1_1: Q1.1 R4.2 | length 2.5
  Top Layer w0.6: R4.2 17.415,51.708 Q1.1
NetQ2_1: Q2.1 R6.2 | length 2.7
  Top Layer w0.6: Q2.1 50.53,56.242 R6.2
NetQ3_3: Q3.3 R16.2 | length 19.8
  Bottom Layer w2: R16.2 118.618,31.623 Q3.3
NetR1_2: R1.2 R2.2 U1.3 | length 8
  Top Layer w0.46: R1.2 R2.2 78.62,65.415 U1.3
NetR22_2: R22.2 U4.1 U5.2 | length 15.9
  Top Layer w1.2: R22.2 98.552,29.845 97.012,31.385 U5.2 U4.1
NetR23_2: R23.2 U4.2 U5.1 | length 25.7
  Top Layer w1.2: R23.2 95.504,29.464 94.472,30.496 U5.1 94.472,38.846 95.617,39.991 102.376,39.991 103.124,39.243 U4.2
PB0: C10.2 R7.1 SW2.1 SW2.4 U2.12 | length 33.8
  Top Layer w0.46: U2.12 68.218,50.908 78.797,40.329 C10.2@78.797,29.969 ; R7.1@78.797,27.686 C10.2@78.797,29.969 ; SW2.1 78.847,30.019 C10.2@78.797,29.969
PB1: R15.1 U2.13 | length 38.2
  Top Layer w0.46: U2.13 68.815,51.708 v1(73.66,46.863) ; v1(98.679,52.959) R15.1
  Bottom Layer w0.46: v1(73.66,46.863) 92.583,46.863 v1(98.679,52.959)
PD2: R20.1 U2.32 U4.4 U5.4 | length 55.2
  Top Layer w0.46: U2.32 61.081,48.508 v1(61.595,49.022) ; v1(92.818,52.94) 94.472,52.94 R20.1
  Top Layer w1.2: R20.1@94.472,52.94 U5.4 94.472,45.228 95.631,44.069 99.568,44.069 100.584,45.085 U4.4
  Bottom Layer w0.46: v1(61.595,49.022) 61.595,50.292 62.103,50.8 72.771,50.8 73.914,51.943 91.821,51.943 v1(92.818,52.94)
PD3: C14.2 R12.1 SW6.1 SW6.4 U2.1 | length 60.4
  Top Layer w0.46: U2.1 59.684,46.603 56.642,43.561 56.642,38.919 55.88,38.157 55.88,9.733 SW6.4 C14.2@61.719,7.366 ; R12.1@61.973,9.652 62.023,9.602 C14.2@62.023,7.285
  Bottom Layer w0.46: SW6.1 SW6.4
PD4: C16.2 C19.1 J3.2 U2.2 | length 67.9
  Top Layer w0.46: v1(59.684,45.085) 60.484,45.885 U2.2 ; C16.2 v1(107.315,61.595) C19.1
  Bottom Layer w0.46: v1(59.684,45.085) 59.654,45.115 59.654,51.271 60.861,52.478 71.365,52.478 76.672,57.785 103.505,57.785 v1(107.315,61.595) J3.2
PD5: R14.1 U2.9 | length 55.1
  Top Layer w0.46: U2.9 67.653,48.508 73.483,42.678 73.483,33.268 72.752,32.537 70.085,32.537 68.428,30.88 68.428,23.901 70.866,21.463 v1(73.025,21.463) ; v1(85.979,13.967) R14.1
  Bottom Layer w0.46: v1(73.025,21.463) 78.483,21.463 v1(85.979,13.967)
PD6: R10.1 U2.10 | length 53.8
  Top Layer w0.46: U2.10 67.786,49.308 74.143,42.951 74.143,32.995 73.025,31.877 70.358,31.877 69.088,30.607 69.088,24.257 70.358,22.987 v1(73.025,22.987) ; v1(84.955,27.678) R10.1
  Bottom Layer w0.46: v1(73.025,22.987) 74.93,24.892 77.978,24.892 80.764,27.678 v1(84.955,27.678)
PD7: C13.2 R11.1 SW5.1 SW5.4 U2.11 | length 67.4
  Top Layer w0.46: U2.11 68.085,50.108 74.803,43.39 74.803,30.861 72.39,28.448 72.39,26.543 74.803,24.13 74.803,13.869 R11.1 ; R11.1@78.82,9.525 78.82,7.393 78.847,7.366 SW5.4
  Bottom Layer w0.46: SW5.1 SW5.4
RESET: C9.1 J1.9 R5.1 SW1.1 SW1.4 U2.29 | length 51.2
  Top Layer w0.46: SW1.1 SW1.4 53.533,44.591 C9.1 53.594,49.022 55.48,50.908 U2.29 59.068,50.908 59.722,51.562 v1(61.468,51.562)
  Bottom Layer w0.46: v1(61.468,51.562) 72.136,51.562 75.057,54.483 81.534,54.483 J1.9
RXD: C12.2 J1.3 R9.1 SW4.1 SW4.4 U2.30 | length 82.7
  Top Layer w0.46: SW4.1 C12.2@37.462,30.019 ; R9.1@37.512,27.686 37.462,27.736 C12.2@37.462,30.019 ; v1(60.484,50.673) 60.23,50.673 59.665,50.108 U2.30 56.204,50.108 54.991,48.895 54.991,40.132 51.054,36.195 41.399,36.195 37.462,32.258 C12.2@37.462,30.019
  Bottom Layer w0.46: SW4.4 SW4.1 ; v1(60.484,50.673) 60.484,48.959 61.564,47.879 69.342,47.879 72.898,44.323 81.534,44.323 J1.3
SCK: J1.10 U1.6 U2.17 | length 30.7
  Top Layer w0.46: U2.17 65.284,56.394 66.294,57.404 v1(66.294,57.411) 67.571,57.411 71,60.84 U1.6 ; v1(70.739,55.245) 72.009,55.245 74.041,53.213 J1.10
  Bottom Layer w0.46: v1(66.294,57.411) 68.46,55.245 v1(70.739,55.245)
SCL: C15.2 R13.1 SW7.1 SW7.4 U2.28 | length 85.1
  Top Layer w0.46: SW7.4 37.462,7.366 37.462,6.607 38.989,5.08 48.26,5.08 54.864,11.684 54.864,34.417 v1(54.229,35.052) ; R13.1 37.462,7.417 C15.2 ; v1(52.324,46.908) 52.324,49.149 54.883,51.708 U2.28
  Bottom Layer w0.46: SW7.1 SW7.4 ; v1(52.324,46.908) 52.324,36.957 v1(54.229,35.052)
SDA: R6.1 U2.27 | length 11.5
  Top Layer w0.46: R6.1 52.194,59.185 53.467,57.912 53.467,55.626 56.585,52.508 U2.27
SS: J1.4 U1.4 U2.14 | length 38.4
  Top Layer w0.46: U1.4 76.08,66.232 75.253,65.405 72.898,65.405 71.755,64.262 71.755,60.579 65.405,54.229 65.405,52.959 65.856,52.508 U2.14 69.539,52.508 76.454,45.593 J1.4
TXD: C11.2 J1.5 R8.1 SW3.1 SW3.4 U2.31 | length 70.8
  Top Layer w0.46: SW3.4 45.847,32.385 48.387,34.925 51.308,34.925 55.76,39.377 55.76,48.394 56.674,49.308 U2.31 60.491,49.308 61.094,49.911 v1(62.611,49.911) ; SW3.1 61.719,30.019 61.769,29.969 R8.1@61.769,27.686
  Bottom Layer w0.46: SW3.4 SW3.1 ; v1(62.611,49.911) 63.119,49.403 81.534,49.403 J1.5
VCC: BZ1.1 C3.2 C6.2 C7.2 C16.1 C21.1 C22.1 D1.2 D4.2 J1.1 J1.12 J3.1 L1.2 L2.2 L3.2 Q2.2 R1.1 R3.2 R5.2 R7.2 R8.2 R9.2 R11.2 R12.2 R13.2 R20.2 U2.4 U2.6 U3.3 | length 370.7
  Top Layer w0.46: C6.2 v1(61.134,45.212) 62.084,46.162 U2.4 ; C7.2 60.96,42.846 v1(63.072,44.958) 63.684,45.57 U2.6
  Top Layer w0.8: BZ1.1 8.429,54.864 C3.2 ; 45.844,51.181 45.96,51.181 Q2.2
  Top Layer w1: D1.2 8.556,51.758 C3.2 ; J1.12@80.209,55.808 J1.12 ; 86.614,56.134 86.747,56.134
  Top Layer w1.2: D1.2 8.106,48.917 10.033,46.99 C21.1@10.033,27.559 ; C21.1@9.398,27.559 C21.1@10.033,27.559 ; C21.1 C21.1@10.033,27.559
  Top Layer w1.6: C22.1 40.598,56.427 R3.2 45.844,51.181 v1(46.987,50.038) v1(47.495,49.53) ; v1(49.406,41.78) R5.2 ; L2.2 60.071,63.74 61.355,65.024 v1(62.611,65.024) v1(63.436,65.024) v1(64.191,65.024) 65.585,65.024 66.802,63.807 L3.2 ; v1@73.787,59.127 v1(73.787,59.182) R1.1 ; 78.867,58.039 L1.2 ; J1.12@80.209,55.808 80.209,58.039 ; J3.1 102.235,61.595 C16.1@103.267,61.595
  Top Layer w1.8: C21.1 16.637,27.559 D4.2 ; U3.3@16.637,19.939 D4.2 ; v1(21.59,27.509) v1(20.828,27.509) v1(20.066,27.509) v1(19.304,27.509) D4.2 ; R13.2 v1(41.656,9.779) v1(42.418,9.779) ; R9.2 v1(41.656,27.465) v1(42.418,27.465) ; R8.2 v1(66.047,27.465) v1(66.809,27.465) ; R12.2 v1(66.167,9.779) v1(66.929,9.779) ; v1@73.787,59.127 74.875,58.039 78.867,58.039 80.209,58.039 84.842,58.039 86.747,56.134 86.995,55.886 86.995,55.756 ; v1(73.914,9.906) v1(74.676,9.906) 75.966,9.906 R11.2 ; v1(74.064,27.512) v1(74.826,27.512) R7.2 ; v1(85.09,40.64) v1(85.725,41.275) v1(86.36,41.91) v1(86.995,42.545) 86.995,55.756 ; 86.614,56.134 86.992,55.756 86.995,55.756 ; R20.2 86.995,55.756
  Top Layer w2: R20.2 100.327,61.595 102.235,61.595
  Bottom Layer w1.6: v1(62.611,65.024) v1(63.436,65.024) v1(64.191,65.024) 67.945,65.024 v1(73.787,59.182) v1(74.295,58.674) v1(74.815,58.154)
  Bottom Layer w1.8: v1(19.304,27.509) v1(20.066,27.509) v1(20.828,27.509) v1(21.59,27.509) 30.734,27.509 ; v1(42.418,27.465) v1@42.418,27.509 ; v1(46.355,50.673) 49.406,47.622 v1(49.406,41.78) 49.406,41.278 42.418,34.29 v1@42.418,27.509 ; 61.468,44.958 v1(63.072,44.958) 69.215,44.958 74.041,40.132 82.804,40.132 ; v1(74.676,9.906) v1(73.914,9.906) 66.167,9.906 32.639,9.906 30.734,11.811 30.734,27.509 ; v1@74.826,27.509 74.064,27.509 v1@42.418,27.509 ; v1(74.826,27.512) 76.661,27.512 82.804,33.655 82.804,40.132 ; J1.1 82.804,40.132 ; v1(86.995,42.545) v1(86.36,41.91) v1(85.725,41.275) v1(85.09,40.64) 84.582,40.132 82.804,40.132 ; 30.734,27.509 v1@42.418,27.509
pads on no net: J1.7 OP1.3 OP1.5 SW2. SW3. SW4. SW5. SW6. SW7. U1.7 U1.8 U1.9 U1.10 U2.19 U2.22

## Polygon pours and split planes (outlines as drawn)
GND on Bottom Layer "GND_L02_P000" (solid, pour order 0): 17.78,69.977 85.217,69.977 85.217,63.119 109.728,63.119 109.728,69.977 114.935,69.977 115.062,69.977 115.062,58.039 115.062,57.912 110.236,57.912 110.109,57.912 110.109,45.466 92.075,45.466 92.075,3.81 17.653,3.81 17.653,11.684 1.27,11.684 1.27,62.865 17.78,62.865 17.78,69.977
GND on Top Layer "GND_L01_P002" (solid, pour order 2): 17.78,69.977 85.217,69.977 85.217,63.119 109.728,63.119 109.728,69.977 114.935,69.977 115.062,69.977 115.062,58.039 115.062,57.912 110.236,57.912 110.109,57.912 110.109,45.466 92.075,45.466 92.075,3.81 17.653,3.81 17.653,11.684 1.27,11.684 1.27,62.865 17.78,62.865 17.78,69.977

## Keep-outs
Keep-Out Layer:
  the board outline again, w0.5

## Other copper
Top Layer:
  pour cut-out: 22.225,71.247 32.385,71.247 32.385,63.369 31.623,63.369 31.623,51.689 23.178,51.689 23.178,63.373 22.225,63.373
  pour cut-out: 57.023,36.668 cw(c59.028,36.668) 59.028,38.673 70.432,38.673 cw(c70.432,36.588) 72.517,36.588 72.517,36.322 cw(c70.104,36.322) 70.104,33.909 59.055,33.909 cw(c59.055,35.941) 57.023,35.941
  text "CENTRIFUSION MAINBOARD V1.B MARCH 2022" at 18.214,0.762 h3.6
Bottom Layer:
  pour cut-out: 22.352,71.247 32.385,71.247 32.385,63.373 22.227,63.373

## Silkscreen, mask and mechanical layers (free items; w line width, h text height)
Top Overlay:
  circle w0.254: c65.024,18.669 r5.209
  circle w0.254: c40.005,18.669 r5.209
  lines w0.46: 110.157,58.039 114.975,58.039

## Text inside footprints (layer, text, board x,y; h text height)
DB1: Top Overlay "+" at 25.832,54.618 h3 r180; Top Overlay "-" at 31.032,54.618 h3 r180
J1: Top Overlay "1" at 84.787,43.561 h1 r180; Top Overlay "2" at 78.486,43.561 h1 r180; Top Overlay "2" at 78.486,43.561 h1 r180; Top Overlay "1" at 84.787,43.561 h1 r180; Top Overlay "4" at 78.486,46.101 h1 r180; Top Overlay "3" at 85.216,46.101 h1 r180; Top Overlay "6" at 78.486,48.641 h1 r180; Top Overlay "5" at 85.216,48.641 h1 r180; Top Overlay "8" at 78.486,51.181 h1 r180; Top Overlay "7" at 85.216,51.181 h1 r180; Top Overlay "10" at 78.486,53.721 h1 r180; Top Overlay "9" at 85.168,53.721 h1 r180; Top Overlay "12" at 78.486,56.261 h1 r180; Top Overlay "11" at 85.52,56.261 h1 r180
U1: Bottom Overlay "LCD 16X2" at 84.582,35.433 h2; Bottom Overlay "16" at 46.116,63.162 h1.27; Bottom Overlay "1" at 83.708,63.162 h1.27; Bottom Overlay "14" at 51.196,62.908 h1.27